# Altium PCB FluidGuard(TX).PcbDoc (part 2 of 2)
Units mm, origin at the board's own origin, x right, y up, seen from the top; angles counter-clockwise.
Board outline 60.05 x 100.05 mm, 4 copper layers (Top Layer, Mid Layer 1(GND), Mid Layer 2(GND), Bottom Layer), stack 1.586 mm thick; 109 components, 75 nets, 438 pads, 274 vias.
Unrouted connection lines stored in the file: 14.
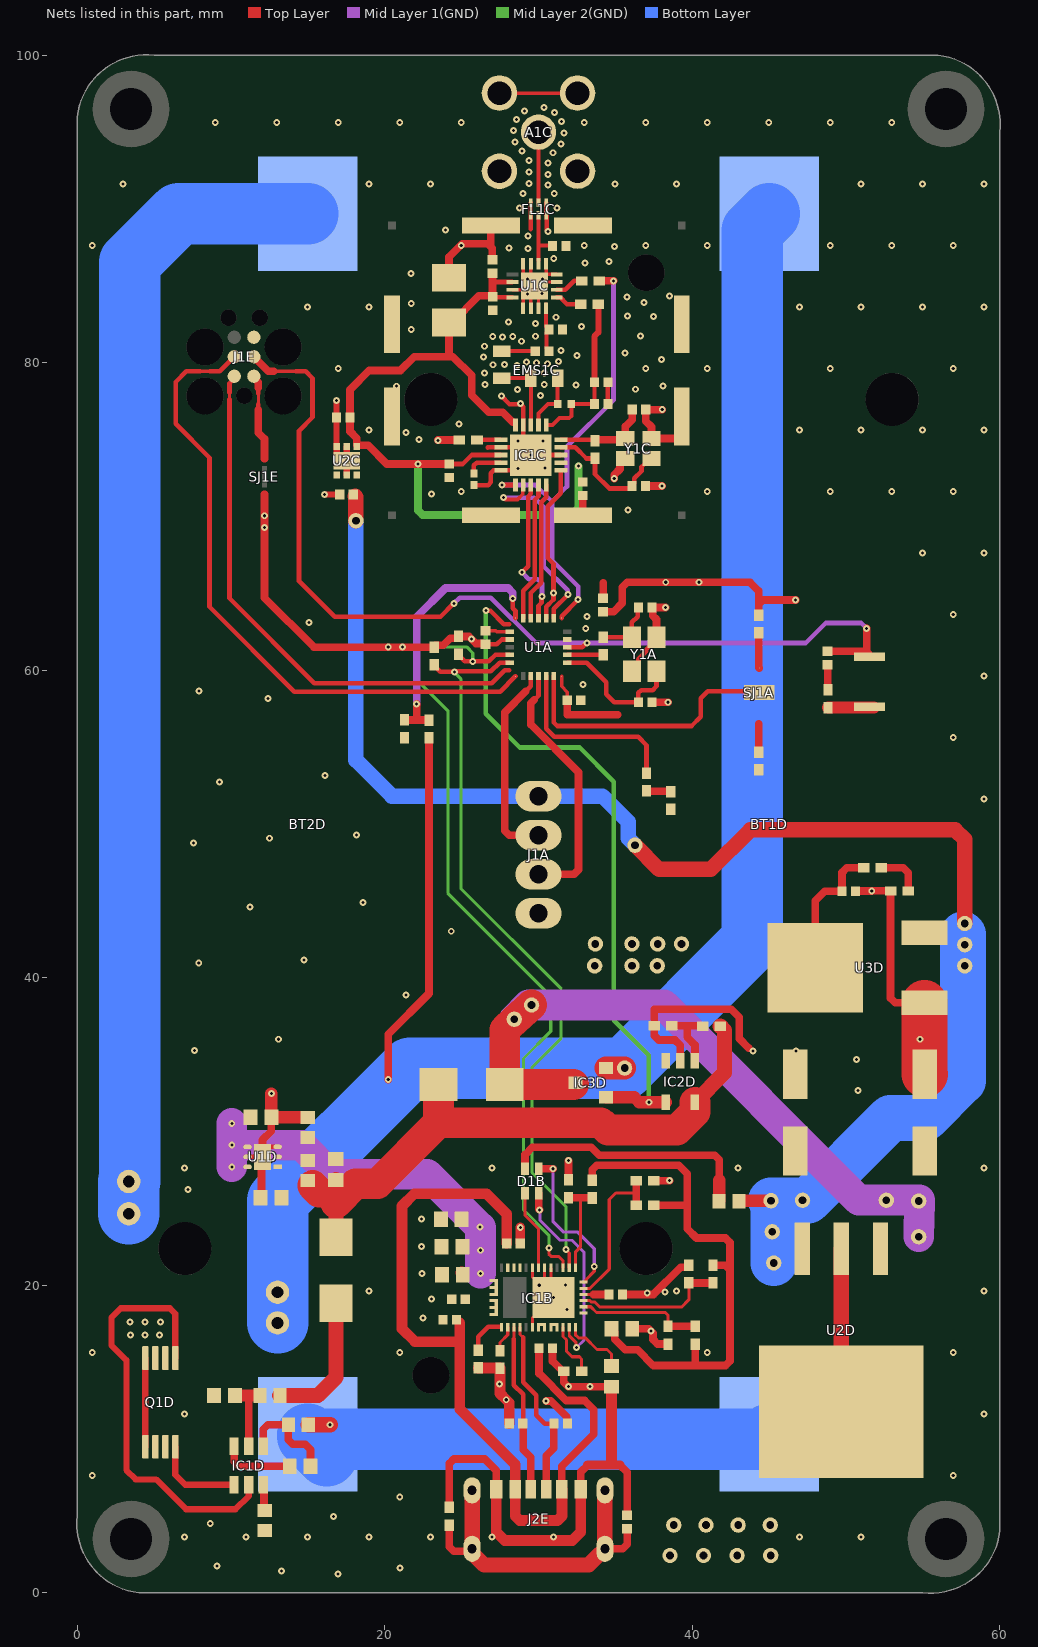
[diagram p4: the nets of this part, all layers, seen from the top]

## Part data (continued)
R5B R7B R8B: library part CRCW04029K53FKEDC, "RES 9.53K OHM 1% 1/16W 0402", Device Package="0402 (1005 Metric)", Manufacturer="Vishay Dale", Operating Temperature="-55°C ~ 155°C", Power (Watts)="0.063W, 1/16W", Supplier Device Package=0402, Supplier Part Number 1=541-5131-1-ND, Temperature Coefficient=±100ppm/°C, Tolerance=±1%, ComponentLink1Description=Datasheet, ComponentLink1URL=https://www.vishay.com/docs/28773/crcwce3.pdf, ComponentLink2Description="DigiKey Link", ComponentLink2URL=https://www.digikey.com/en/products/detail/vishay-dale/CRCW04029K53FKEDC/7925987, Composition="Thick Film", Height - Seated (Max)="0.014\" (0.35mm)", id=12430, LastUpdated=2023-01-02T20:20:02.490, Lifecycle Status=Active, Minimum Order=1, Number Of Terminations=2, Package / Case="0402 (1005 Metric)", Packaging=CutTape, Part Number=CRCW04029K53FKEDC, Part Status=Active, PartId=66777, Price=0.10, Resistance="9.53 kOhms", Series=CRCW-C, Size / Dimension="0.039\" L x 0.020\" W (1.00mm x 0.50mm)", Supplier 1=DigiKey
R6A R7A: library part AC0402FR-074K7L, "RES SMD 4.7K OHM 1% 1/16W 0402", Device Package="0402 (1005 Metric)", Manufacturer=Yageo, Operating Temperature="-55°C ~ 155°C", Power (Watts)="0.063W, 1/16W", Ratings=AEC-Q200, Supplier Device Package=0402, Supplier Part Number 1=YAG3497CT-ND, Temperature Coefficient=±100ppm/°C, Tolerance=±1%, ComponentLink1Description=Datasheet, ComponentLink1URL=https://www.yageo.com/upload/media/product/productsearch/datasheet/rchip/PYu-AC_51_RoHS_L_7.pdf, ComponentLink2Description="DigiKey Link", ComponentLink2URL=https://www.digikey.com/en/products/detail/yageo/AC0402FR-074K7L/5895396, Composition="Thick Film", Features="Automotive AEC-Q200, Moisture Resistant", Height - Seated (Max)="0.015\" (0.37mm)", id=4996, LastUpdated=2023-01-02T20:21:09.847, Lifecycle Status=Active, Minimum Order=1, Number Of Terminations=2, Package / Case="0402 (1005 Metric)", Packaging=CutTape, Part Number=AC0402FR-074K7L, Part Status=Active, PartId=12051, Price=0.01, Resistance="4.7 kOhms", Series=AC, Size / Dimension="0.039\" L x 0.020\" W (1.00mm x 0.50mm)", Supplier 1=DigiKey
R6B: library part AC0402FR-0738K3L, "RES SMD 38.3K OHM 1% 1/16W 0402", Device Package="0402 (1005 Metric)", Manufacturer=Yageo, Operating Temperature="-55°C ~ 155°C", Power (Watts)="0.063W, 1/16W", Ratings=AEC-Q200, Supplier Device Package=0402, Supplier Part Number 1=13-AC0402FR-0738K3LCT-ND, Temperature Coefficient=±100ppm/°C, Tolerance=±1%, ComponentLink1Description=Datasheet, ComponentLink1URL=https://www.yageo.com/upload/media/product/productsearch/datasheet/rchip/PYu-AC_51_RoHS_L_8.pdf, ComponentLink2Description="DigiKey Link", ComponentLink2URL=https://www.digikey.com/en/products/detail/yageo/AC0402FR-0738K3L/5895312, Composition="Thick Film", Features="Automotive AEC-Q200, Moisture Resistant", Height - Seated (Max)="0.015\" (0.37mm)", id=12409, LastUpdated=2023-01-02T20:20:08.577, Lifecycle Status=Active, Minimum Order=1, Number Of Terminations=2, Package / Case="0402 (1005 Metric)", Packaging=CutTape, Part Number=AC0402FR-0738K3L, Part Status=Active, PartId=65263, Price=0.01, Resistance="38.3 kOhms", Series=AC, Size / Dimension="0.039\" L x 0.020\" W (1.00mm x 0.50mm)", Supplier 1=DigiKey
R6D: library part RMCF0603FG160K, "RES 160K OHM 1% 1/10W 0603", Device Package="0603 (1608 Metric)", Manufacturer="Stackpole Electronics Inc", Operating Temperature="-55°C ~ 155°C", Power (Watts)="0.1W, 1/10W", Ratings=AEC-Q200, Supplier Device Package=0603, Supplier Part Number 1=738-RMCF0603FG160KCT-ND, Temperature Coefficient=±100ppm/°C, Tolerance=±1%, ComponentLink1Description=Datasheet, ComponentLink1URL=https://www.seielect.com/catalog/sei-rmcf_rmcp.pdf, ComponentLink2Description="DigiKey Link", ComponentLink2URL=https://www.digikey.com/en/products/detail/stackpole-electronics-inc/RMCF0603FG160K/1713653, Composition="Thick Film", Features="Automotive AEC-Q200", Height - Seated (Max)="0.022\" (0.55mm)", id=2352, LastUpdated=2023-01-02T20:30:07.700, Lifecycle Status=Active, Minimum Order=1, Number Of Terminations=2, Package / Case="0603 (1608 Metric)", Packaging=CutTape, Part Number=RMCF0603FG160K, Part Status=Active, PartId=9704, Price=0.01, Resistance="160 kOhms", Series=RMCF, Size / Dimension="0.061\" L x 0.031\" W (1.55mm x 0.80mm)", Supplier 1=DigiKey
R7D: library part RT0603BRD072KL, "RES SMD 2K OHM 0.1% 1/10W 0603", Device Package="0603 (1608 Metric)", Manufacturer=Yageo, Operating Temperature="-55°C ~ 155°C", Power (Watts)="0.1W, 1/10W", Supplier Device Package=0603, Supplier Part Number 1=YAG1626CT-ND, Temperature Coefficient=±25ppm/°C, Tolerance=±0.1%, ComponentLink1Description=Datasheet, ComponentLink1URL=https://www.yageo.com/upload/media/product/productsearch/datasheet/rchip/PYu-RT_1-to-0.01_RoHS_L_11.pdf, ComponentLink2Description="DigiKey Link", ComponentLink2URL=https://www.digikey.com/en/products/detail/yageo/RT0603BRD072KL/1072444, Composition="Thin Film", Height - Seated (Max)="0.022\" (0.55mm)", id=366, LastUpdated=2023-01-02T20:30:23.983, Lifecycle Status=Active, Minimum Order=1, Number Of Terminations=2, Package / Case="0603 (1608 Metric)", Packaging=TapeAndReel, Part Number=RT0603BRD072KL, Part Status=Active, PartId=5635, Price=0.03, Resistance="2 kOhms", Series=RT, Size / Dimension="0.063\" L x 0.031\" W (1.60mm x 0.80mm)", Supplier 1=DigiKey
R12B: library part RMCF0603JT1K00, "RES 1K OHM 5% 1/10W 0603", Device Package="0603 (1608 Metric)", Manufacturer="Stackpole Electronics Inc", Operating Temperature="-55°C ~ 155°C", Power (Watts)="0.1W, 1/10W", Ratings=AEC-Q200, Supplier Device Package=0603, Supplier Part Number 1=RMCF0603JT1K00CT-ND, Temperature Coefficient=±200ppm/°C, Tolerance=±5%, ComponentLink1Description=Datasheet, ComponentLink1URL=https://www.seielect.com/catalog/sei-rmcf_rmcp.pdf, ComponentLink2Description="DigiKey Link", ComponentLink2URL=https://www.digikey.com/en/products/detail/stackpole-electronics-inc/RMCF0603JT1K00/1758057, Composition="Thick Film", Features="Automotive AEC-Q200", Height - Seated (Max)="0.022\" (0.55mm)", id=454, LastUpdated=2023-01-02T20:30:23.167, Lifecycle Status=Active, Minimum Order=1, Number Of Terminations=2, Package / Case="0603 (1608 Metric)", Packaging=CutTape, Part Number=RMCF0603JT1K00, Part Status=Active, PartId=5824, Price=0.01, Resistance="1 kOhms", Series=RMCF, Size / Dimension="0.061\" L x 0.031\" W (1.55mm x 0.80mm)", Supplier 1=DigiKey
S1A: "3.0MM X 2.0MM / 3.3N / 0.15MM ST", Contact Rating @ Voltage="0.02A @ 15VDC", Manufacturer="Panasonic Electronic Components", Operating Force=330gf, Operating Temperature="-40°C ~ 85°C", Supplier Part Number 1=P123440CT-ND, Actuator Height Off Pcb, Vertical=0.60mm, Actuator Orientation="Top Actuated", Actuator Type=Standard, Circuit=SPST-NO, ComponentLink1Description=Datasheet, ComponentLink1URL=https://industrial.panasonic.com/ac/cdn/e/control/switch/light-touch/catalog/sw_lt_eng_3020s.pdf, ComponentLink2Description="DigiKey Link", ComponentLink2URL=https://www.digikey.com/en/products/detail/panasonic-electronic-components/EVP-AWED4A/8568275, id=5, Illumination=Non-Illuminated, Ingress Protection="IP67 - Dust Tight, Waterproof", LastUpdated=2023-01-02T21:07:29.980, Lifecycle Status=Active, Minimum Order=1, Mounting Type="Surface Mount", Outline="3.00mm x 2.00mm", Packaging=TapeAndReel, Part Number=EVP-AWED4A, Part Status=Active, Price=0.16, Series=EVPAW, Supplier 1=DigiKey, Switch Function=Off-Mom, Termination Style="SMD (SMT) Tab"
SJ1A: library part "Rounded Jumper Joint 3-pin"
SJ1E: library part "Rounded Jumper Joint"
U1A: library part CMP-12105-000084-1, "IC MCU 32BIT 32KB FLASH 28UFQFPN", Frequency=32MHz, Max Operating Temperature=105°C, Max Power Dissipation=167mW, Max Supply Voltage=3.6V, Min Operating Temperature=-40°C, Min Supply Voltage=1.8V, Operating Supply Voltage=3.3V, Core Architecture=ARM, Interface=I2C, Lead Free="Lead Free", Max Frequency=32MHz, Memory Size=32KB, Memory Type=FLASH, Mount="Surface Mount", Number of I/Os=21, Number of Pins=28, Number of Programmable I/O=21, Number of Timers/Counters=4, Oscillator Type=Internal, Peripherals="Brown-out Detect/Reset", RAM Size=1KB, Watchdog Timer=Yes
U1C: "No Description Available", Mfr_Name=Skyworks, RefDes=RefDes, Type=Type
U1D: library part CMP-04917-000172-1, "IC REG LINEAR POS ADJ 1A 6WSON"
U2C: library part CMP-07128-000006-2, "IC REG LINEAR 3.3V 500MA 6WDFN", Dropout Voltage=230mV, Max Input Voltage=5.5V, Max Operating Temperature=125°C, Max Output Current=500mA, Min Current Limit=510mA, Min Input Voltage=2.5V, Min Operating Temperature=-40°C, Output Voltage=3.3V, Package Quantity=3000, Quiescent Current=25uA, Accuracy=2%, Lead Free="Lead Free", Mount="Surface Mount", Number Of Outputs=1, Number of Pins=6, Number of Regulators=1, Output Current=500mA, Output Type=Fixed, Packaging="Tape and Reel", Polarity=Positive, Radiation Hardening=No
U2D: library part CMP-1685-00014-2, "IC REG LIN 5V 1.5A DDPAK/TO263-3", Case/Package=TO-263, Dropout Voltage=2V, Max Input Voltage=25V, Max Operating Temperature=125°C, Max Output Current=1.5A, Max Output Voltage=5.2V, Min Input Voltage=7V, Min Operating Temperature=0°C, Min Output Voltage=4.8V, Nominal Output Voltage=5V, Package Quantity=1, Power Rating=15W, Power Supply Rejection Ratio (PSRR)=78dB, Quiescent Current=8mA, Contact Plating=Tin, Height=4.83mm, Lead Free="Lead Free", Length=10.67mm, Mount="Surface Mount", Number Of Outputs=1, Number of Pins=3, Number of Regulators=1, Output Current=1.5A, Output Type=Fixed, Output Voltage=5V, Packaging="Tape and Reel", Polarity=Positive, Radiation Hardening=No, REACH SVHC="No SVHC", Weight=0.050897oz, Width=9.65mm
U3D: library part CMP-07128-000023-2, "IC REG LINEAR 3.3V 1A DPAK", Case/Package=DPAK, Dropout Voltage=1.07V, Input Bias Current=6mA, Max Input Voltage=20V, Max Operating Temperature=125°C, Max Output Current=1A, Min Operating Temperature=0°C, Nominal Output Voltage=3.3V, Output Voltage Accuracy=1%, Package Quantity=1, Quiescent Current=10mA, Reference Voltage=1.27V, Accuracy=1%, Contact Plating=Tin, Halogen Free="Halogen Free", Height=2.38mm, Lead Free="Lead Free", Length=6.73mm, Min Current Limit=1A, Mount="Surface Mount", Number Of Outputs=1, Number of Pins=3, Number of Regulators=1, Output Current=1A, Output Type=Fixed, Output Voltage=3.3V, Packaging="Tape and Reel", Polarity=Positive, Radiation Hardening=No, REACH SVHC="No SVHC", Width=6.22mm
Y1A: library part "TSX-3225 24.0000MF15X-AC3", "CRYSTAL 24.0000MHZ 9PF SMD", Esr (Equivalent Series Resistance)="40 Ohms", Frequency Stability=±15ppm, Frequency Tolerance=±10ppm, Load Capacitance=9pF, Manufacturer=EPSON, Operating Mode=Fundamental, Operating Temperature="-40°C ~ 85°C", Package / Case="4-SMD, No Lead", Supplier Part Number 1=SER3635CT-ND, ComponentLink1Description=Datasheet, ComponentLink1URL=https://support.epson.biz/td/api/doc_check.php?dl=brief_TSX-3225&lang=en, ComponentLink2Description="DigiKey Link", ComponentLink2URL=https://www.digikey.com/en/products/detail/epson/TSX-3225-24-0000MF15X-AC3/1825444, Frequency="24 MHz", Height - Seated (Max)="0.024\" (0.60mm)", id=441, LastUpdated=2023-01-02T20:58:19.840, Lifecycle Status=Active, Minimum Order=1, Mounting Type="Surface Mount", Packaging=TapeAndReel, Part Number="TSX-3225 24.0000MF15X-AC3", Part Status=Active, PartId=441, Price=0.44, Series=TSX-3225, Size / Dimension="0.126\" L x 0.098\" W (3.20mm x 2.50mm)", Supplier 1=DigiKey, Type="MHz Crystal"
Y1C: library part NX2520SA-16MHZ-EXS00A-CS05116, "CRYSTAL 16.0000MHZ 12PF SMD", Esr (Equivalent Series Resistance)="80 Ohms", Frequency Stability=±15ppm, Load Capacitance=12pF, Manufacturer="NDK America, Inc.", Operating Mode=Fundamental, Operating Temperature="-10°C ~ 75°C", Package / Case="4-SMD, No Lead", Supplier Part Number 1=644-1200-1-ND, ComponentLink1Description=Datasheet, ComponentLink1URL=//media.digikey.com/pdf/Data%20Sheets/NDK%20PDFs/NX2520SA-16MHZ-EXS00A-CS05116.pdf, ComponentLink2Description="DigiKey Link", ComponentLink2URL=https://www.digikey.com/en/products/detail/ndk-america-inc/NX2520SA-16MHZ-EXS00A-CS05116/3894065, Frequency="16 MHz", Frequency Tolerance=±15ppm, Height - Seated (Max)="0.022\" (0.55mm)", id=522, LastUpdated=2023-01-02T20:58:22.490, Lifecycle Status=Active, Minimum Order=1, Mounting Type="Surface Mount", Packaging=TapeAndReel, Part Number=NX2520SA-16MHZ-EXS00A-CS05116, Part Status=Active, PartId=522, Price=0.74, Series=NX2520SA, Size / Dimension="0.098\" L x 0.079\" W (2.50mm x 2.00mm)", Supplier 1=DigiKey, Type="MHz Crystal"

## Free pads (board coordinates)
  round 1.524 hole 0.762: 3(13.025,19.55) 4(13.025,17.55) 5(3.35,26.75) 6(3.35,24.65)
  round 1 hole 0.5: 9(35.6,34.125) 10(38.55,2.425) 11(40.733,2.425) 12(42.917,2.425) 13(45.1,2.425) 14(38.8,4.4) 15(40.892,4.4) 16(42.983,4.4) 17(45.075,4.4) 18(47.175,25.525) 19(45.125,25.5) 20(45.3,21.45) 21(45.2,23.475) 22(29.55,38.225) 26(28.425,37.3) 27(52.625,25.525) 28(54.725,25.475) 29(54.725,23.15) 30(57.725,43.525) 31(57.725,42.15) 32(57.725,40.775) 33(36.275,48.625) 34(18.125,69.725) 35(33.65,40.775) 35(33.7,42.2) 36(36.075,40.775) 36(36.075,42.2) 37(37.725,40.775) 37(37.75,42.2) 38(39.3,42.2)
  round 5 hole 2.75 unplated: MH(3.5,3.5) MH(3.5,96.5) MH(56.5,3.5) MH(56.5,96.5)

## Via types
v1: diameter 0.45, hole 0.2, Top Layer to Bottom Layer, 274 vias

## Nets (pads, with @x,y where several pads share a name; then routed paths per layer and width w, separated by ;. In a path a pad name is that pad's centre, name@x,y a point inside that pad or via, vN(x,y) a via of type N, cw(c..) or ccw(c..) an arc to the next point about the centre after c; other vN are vias at no path point)
+3V3: C4A.2 C5A.2 C6A.2 C8D.2 D3D.1 IC2D.3 pad.35 pad.36 pad.37 pad.38 R1A.2 R6A.2 R7A.2 SJ1E.2 U1A.1 U1A.5 U1A.17 U3D.4 | length 49.7
  Top Layer w0.3: C6A.2@26.551,61.685 27.285,61.685 27.6,62 U1A.17@28.125,62
  Top Layer w0.5: 12.175,71.45 12.175,64.725 15.4,61.5 v1(20.225,61.5) v1(21.15,61.5) R6A.2@23.225,61.5 23.225,61.575 23.275,61.625 23.8,61.625 24.25,62.075 24.75,62.075 24.8,62.125 R7A.2@24.8,62.2 25.475,62.2 25.94,61.735 26.501,61.735 C6A.2@26.551,61.685 ; C4A.2@34.204,63.81 34.885,63.81 35.45,64.375 35.45,65.407 35.768,65.725 43.75,65.725 44.325,65.15 44.325,64.282 ; R1A.2@44.325,63.575 44.325,64.282 ; v1(46.725,64.575) 44.618,64.575 44.325,64.282 ; U3D.4@48.01,40.65 48.01,45.01 48.625,45.625 C8D.2@49.745,45.625 49.745,46.845 50.05,47.15 D3D.1@51.15,47.15
  other v1: 32.9,59.075 25.65,62.025 33.075,62.725 33.15,63.5 38.275,65.725 40.45,65.725 12.175,69.275 12.175,70.05
+5V: C6D.1 C14C.2 J1A.1 pad.18 pad.19 pad.20 pad.21 pad.30 pad.31 pad.32 pad.33 pad.34 R12B.1 U2C.4 U2C.6 U2D.3 U3D.3 | length 98.6
  Top Layer w0.8: R12B.1@43.05,25.475 43.075,25.5 pad.19@45.125,25.5
  Top Layer w1: C14C.2@18.075,71.321 18.125,71.271 pad.34@18.125,69.725 ; pad.33@36.275,48.625 37.85,47.05 41.2,47.05 43.775,49.625 57.1,49.625 57.725,49 pad.30@57.725,43.525
  Bottom Layer w1: pad.34@18.125,69.725 18.125,54.15 20.465,51.81 J1A.1@30,51.81 34.164,51.81 35.825,50.149 35.825,49.075 pad.33@36.275,48.625
  Bottom Layer w3: pad.20@45.3,21.45 45.3,25.325 pad.19@45.125,25.5 47.525,25.5 52.9,30.875 55.175,30.875 57.6,33.3 57.6,42.825
ADC_1: IC1B.2 R1B.1 R5B.2 | length 8.2
  Top Layer w0.2: IC1B.2@32.925,18.6 33.4,18.6 33.775,18.225 38.25,18.225 38.425,18.05 R5B.2@38.425,17.325
  Top Layer w0.5: R5B.2@38.425,17.325 R1B.1@40.2,17.325
ADC_2: IC1B.3 R2B.1 R6B.2 | length 9.9
  Top Layer w0.2: IC1B.3@32.925,19 33.35,19 33.45,18.9 33.675,18.9 34,18.575 39.3,18.575 39.775,19.05 R6B.2@39.775,20.15
  Top Layer w0.5: R6B.2@39.775,20.15 R2B.1@41.35,20.15
ADC_3: IC1B.5 R3B.1 R7B.2 | length 10.2
  Top Layer w0.2: IC1B.5@32.925,19.8 33.35,19.8 34.6,21.05 34.6,25.575 35.029,26.004 36.35,26.004
  Top Layer w0.5: R3B.1@36.35,25.207 36.35,26.004 R7B.2@36.35,26.8
ADC_4: IC1B.7 R4B.1 R8B.2 | length 6.3
  Top Layer w0.2: IC1B.7@32.4,21.125 32.4,22.15 32.725,22.475 32.725,25.688
  Top Layer w0.5: R8B.2@31.95,25.7 31.962,25.688 32.725,25.688 33.487,25.688 R4B.1@33.5,25.675
BAT: BT1D.2 D1D.2 IC3D.2 pad.3 pad.4 pad.9 R1D.1 R3D.1 | length 127
  Top Layer w0.5: v1(20.225,33.375) 20.225,36.325 22.875,38.975 R1D.1@22.875,55.6
  Top Layer w1: R3D.1@13.175,12.831 15.656,12.831 16.825,14 D1D.2@16.825,18.825
  Top Layer w1.5: IC3D.2@34.4,34.125 pad.9@35.6,34.125
  Bottom Layer w4: pad.4@13.025,17.55 13.025,25.5 21.65,34.125 pad.9@35.6,34.125 43.9,42.425 43.9,88.588 BT1D.2@45,89.687
BAT_MR: R1D.2 R5D.1 U1A.14 | length 17.2
  Top Layer w0.3: v1(28.325,64.675) 28.325,64.034 28.5,63.859 U1A.14@28.5,63.4
  Top Layer w0.5: R5D.1@21.275,56.775 21.288,56.762 22.075,56.762 ; v1(22.075,57.8) 22.075,56.762 ; R1D.2@22.875,56.75 22.862,56.762 22.075,56.762
  Mid Layer 1(GND) w0.5: v1(22.075,57.8) 22.075,63.475 23.95,65.35 28.025,65.35 28.325,65.05 v1(28.325,64.675)
BCOM: BT2D.1 C4D.1 C5D.1 IC1D.6 pad.5 pad.6 Q1D.2 Q1D.3 | length 79.5
  Top Layer w0.5: IC1D.6@10.2,9.525 10.2,8.518 10.493,8.225 C4D.1@13.825,8.225
  Bottom Layer w4: pad.6@3.35,24.65 pad.5@3.35,26.75 ; pad.5@3.425,26.75 3.425,86.525 6.587,89.687 BT2D.1@15,89.687
BVC: BT1D.1 BT2D.2 R4D.1 | length 33.3
  Top Layer w1: R4D.1@15.025,10.925 v1(16.45,10.925)
  Bottom Layer w4: BT2D.2@15,10.312 15,10.164 16.238,8.925 16.238,9.975 44.662,9.975 BT1D.1@45,10.312
CAPABILITY: D1B.4 IC1B.6 | length 10.3
  Top Layer w0.2: IC1B.6@32.925,20.2 33.1,20.2 33.1,20.375 33.625,20.9 v1(33.625,21.225)
  Top Layer w0.5: D1B.4@30.025,27.575 v1(30.95,27.575)
  Mid Layer 1(GND) w0.2: v1(30.95,27.575) 30.95,24.125 31.6,23.475 32.525,23.475 33.625,22.375 v1(33.625,21.225)
CC1: C10B.2 IC1B.28 J2E.A5 | length 11
  Top Layer w0.2: 28.4,16.5 IC1B.28@28.4,17.275
  Top Layer w0.3: 28.4,16.5 28.4,13.5 29,12.9 29,11.02 C10B.2@28.98,11
  Top Layer w0.5: C10B.2@28.98,11 29,10.98 29,9.3 29.5,8.8 J2E.A5@29.5,6.74
CC2: C11B.2 IC1B.29 J2E.B5 | length 12
  Top Layer w0.2: IC1B.29@28.8,17.275 28.8,16.8 29,16.6
  Top Layer w0.3: 29,16.6 29,13.7 29.85,12.85 29.85,11.55 30.4,11 C11B.2@31,11
  Top Layer w0.5: J2E.B5@30.5,6.74 30.5,8.9 31,9.4 C11B.2@31,11
GND: A1C.G C1A.1 C1B.1 C1C.1 C1E.2 C2A.1 C2B.1 C2C.2 C2D.1 C3A.1 C3B.2 C3C.1 C3D.1 C4A.1 C4B.1 C4C.2 C5A.1 C5B.1 C6A.1 C6B.1 C6C.1 C6D.2 C7B.1 C7C.1 C7D.2 C8C.2 C8D.1 C9B.1 C9C.1 C10B.1 C10C.1 C11B.1 C11C.1 C12B.1 C12C.1 C13B.1 C13C.1 C14C.1 C15C.1 EMS1C.SH@20.475,76.5 EMS1C.SH@20.475,82.5 EMS1C.SH@26.9,70.075 EMS1C.SH@26.9,88.925 EMS1C.SH@32.9,70.075 EMS1C.SH@32.9,88.925 EMS1C.SH@39.325,76.5 EMS1C.SH@39.325,82.5 FL1C.1 FL1C.3 FL1C.4 FL1C.6 IC1B.11 IC1B.12 IC1B.14 IC1B.16 IC1B.17 IC1B.31 IC1B.34 IC1B.35 IC1B.39 IC1B.44 IC1C.8 IC1C.14 IC1C.17 IC1C.20 IC1C.21 IC2D.2 J1A.4 J1E.5 J2E.A12 J2E.B12 pad.10 pad.11 pad.12 pad.13 pad.14 pad.15 pad.16 pad.17 Q1D.6 Q1D.7 R1C.1 R1E.2 R2A.1 R3A.1 R5A.1 R5B.1 R5D.2 R6B.1 R6D.1 R7B.1 R7D.1 R8B.1 R9B.2 R9D.1 R10B.2 R10D.1 R11B.2 U1A.16 U1A.28 U1C.1 U1C.2 U1C.3 U1C.7 U1C.8 U1C.9 U1C.11 U1C.12 U1C.15 U1C.17 U1D.3 U1D.5 U1D.7 U2C.2 U2C.3 U2C.5 U2C.7 U2D.2 U2D.4 U3D.1 Y1A.2 Y1A.4 Y1C.2 Y1C.4 | length 195.4
  Top Layer w0.2: U1C.15@28.305,84.75 29.278,84.75 29.5,84.75 U1C.17@29.75,85 ; IC1B.31@29.6,17.275 29.6,17.87 30.05,18.32 30.05,18.45 30.18,18.45 30.93,19.2 v1(30.965,19.2) IC1B.39@30.8,19.365 ; IC1B.14@29.6,21.125 29.6,20.53 30.05,20.08 v1(30.05,20) ; IC1B.12@30.4,21.125 30.4,19.765 IC1B.39@30.8,19.365 ; IC1B.11@30.8,21.125 IC1B.39@30.8,19.365 ; Y1C.2@35.65,73.771 Y1C.2@35.75,73.771
  Top Layer w0.22: C6A.1@26.551,62.565 27.21,62.565 27.275,62.5 U1A.16@28.125,62.5 ; A1C.G@27.46,97.54 A1C.G@32.54,97.54 ; U1C.1@29,83.776 U1C.17@29,84.472 ; U1C.12@29,86.445 29,85.75 U1C.17@29.3,85.45 ; U1C.17@29.2,84.5 29.5,84.8 U1C.17@29.5,84.972 ; v1(29.275,85.45) U1C.17@29.3,85.45 ; v1(29.293,84.47) 29.291,84.472 U1C.17@29,84.472 ; U1C.2@29.5,83.776 29.5,84.75 U1C.17@29.5,84.972 ; U1C.11@29.5,86.667 29.5,85.472 U1C.17@29.75,85.222 ; U1C.17@29.75,85 U1C.17@29.639,85.111 ; U1C.17@29.861,85.111 U1C.17@30,85.25 ; U1C.3@30,83.776 30,84.972 U1C.17@29.75,85.222 ; U1C.17@30,85.472 U1C.17@29.75,85.222 ; U1C.9@30.5,86.445 U1C.17@30.5,85.75 ; U1C.7@31.195,85.25 U1C.17@30,85.25 ; U1C.8@31.195,85.75 U1C.17@30.5,85.75 ; U1A.28@31.5,59.6 31.5,58.95 31.87,58.58 C5A.1@31.87,58.046 ; EMS1C.SH@32.875,70.1 EMS1C.SH@32.9,70.075 ; U1C.17@29,84.472 29.278,84.75 U1C.17@29.5,84.972 ; U1C.17@29.3,85.45 U1C.17@29.639,85.111 ; U1C.17@29.5,84.972 U1C.17@29.639,85.111 ; U1C.17@29.639,85.111 U1C.17@29.75,85.222 ; U1C.17@30,85.25 30.2,85.45 v1(30.25,85.45) 30.25,85.5 U1C.17@30.5,85.75
  Top Layer w0.3: U1D.5@11.072,28.35 U1D.7@11.987,28.35 ; U1D.7@12.05,28.6 12.45,29 U1D.3@13.028,29 ; C4C.2@25.8,72.043 26.724,72.043 26.9,72.219 26.9,72.824 27.076,73 28.55,73 28.775,73.225 28.775,73.275 v1(29.5,74) ; 26.7,74.475 cw(c26.725,74.475) 26.725,74.5 IC1C.17@27.55,74.5 IC1C.21@29,74.5 ; v1(27.6,77.825) 28.116,77.309 v1@28.825,77.309 ; 29.5,88.7 FL1C.1@29.5,89.6 FL1C.6@29.5,90.4 ; FL1C.4@30.5,90.4 FL1C.3@30.5,89.6 cw(c30.5,89.575) 30.525,89.575 v1@30.525,88.625 ; IC1C.8@31.45,74 v1(29.5,74) ; C10C.1@34.515,77.325 C11C.1@34.515,78.729 ; Y1A.4@36.075,59.95 36.5,60.375 36.5,60.725 37,61.225 37,61.35 37.675,62.025 Y1A.2@37.675,62.15 ; C3A.1@48.8,60.357 C3A.1@48.812,60.345 ; R5A.1@48.812,58.738 R5A.1@48.825,58.725 ; v1@28.825,77.309 v1(28.825,77.35) v1@28.825,77.309 ; v1@28.825,77.309 29,77.134 IC1C.21@29,74.5 ; IC1C.21@29,74.5 v1(29.5,74)
  Top Layer w0.4: v1(16.084,71.441) C14C.1@17.075,71.441 ; U2C.3@16.86,74.546 C15C.1@16.86,76.45 v1(16.86,77.535) ; U2C.3@16.875,74.546 16.875,73.981 17.235,73.621 U2C.7@17.525,73.621 ; U2C.5@17.525,72.696 U2C.7@17.525,73.621 ; U2C.2@17.525,74.546 U2C.7@17.525,73.621
  Top Layer w0.5: C2D.1@11.925,25.7 11.987,25.762 11.987,28.35 11.987,28.537 12.05,28.6 12.05,29.45 12.625,30.025 C3D.1@12.625,30.925 ; v1@23.45,74.95 cw(c23.475,74.95) 23.475,74.975 R1C.1@24.85,74.975 ; C2C.2@24.175,85.535 24.175,86.875 25.05,87.75 26.707,87.75 26.9,87.557 ; R1E.2@24.2,5.55 24.2,8.4 24.5,8.7 26.5,8.7 27.25,7.95 J2E.B12@27.25,6.74 ; EMS1C.SH@26.9,88.925 26.9,87.557 ; C7C.1@27,86.705 27,87.457 26.9,87.557 ; v1(30.5,12.475) 30.8,12.475 31.83,11.445 31.83,11.05 C11B.1@31.88,11 ; C7B.1@30.915,15.92 C7B.1@30.915,15.9 30.915,15.06 31.575,14.4 R9B.2@31.65,14.4 31.65,13.693 v1(31.943,13.4) v1(33.346,13.4) C9B.1@34.75,13.4 ; C5A.1@31.87,58.046 31.87,57.105 35.155,57.105 ; R8B.1@31.95,26.85 v1(31.95,28.1) ; J2E.A12@32.75,6.74 32.75,7.85 33.2,8.3 ; EMS1C.SH@32.875,70.1 C3C.1@32.875,71.363 ; C4A.1@34.204,64.69 34.204,65.696 ; v1(34.925,72.475) 34.925,72.715 35.3,73.09 35.3,73.521 35.55,73.771 Y1C.2@35.65,73.771 ; 35.3,8.3 35.763,7.837 C1E.2@35.763,5.04 ; C12B.1@35.467,19.4 37.475,19.4 39.25,21.175 39.725,21.175 39.775,21.225 R6B.1@39.775,21.3 ; C13B.1@36.102,17.175 37.157,17.175 37.45,16.882 37.45,16.468 37.743,16.175 R5B.1@38.425,16.175 ; C13C.1@36.965,71.99 v1(38.035,71.99) ; C1A.1@37.375,57.921 v1(38.429,57.921) ; R7B.1@37.5,26.8 v1(38.525,26.8) ; Y1A.2@37.675,62.15 37.675,63.3 37.425,63.55 37.425,64.029 C2A.1@37.375,64.079 v1(38.254,64.079) ; v1(38.05,76.95) C12C.1@36.98,76.95 36.98,76.195 37.35,75.825 Y1C.4@37.35,75.071 39.115,75.071 39.375,75.331 EMS1C.SH@39.375,75.5 ; IC2D.2@39.225,34.6 39.225,35.6 38.875,35.95 37.818,35.95 37.525,36.243 R9D.1@37.525,36.875 37.525,37.95 42.525,37.95 43.05,37.425 43.05,36.05 43.675,35.425 ; R5A.1@48.812,58.738 C3A.1@48.812,60.345 ; C8D.1@50.625,45.625 50.662,45.625 50.675,45.638 51.663,45.638 v1(51.675,45.65) R10D.1@52.9,45.65 52.9,38.675 53.21,38.365 U3D.1@55.1,38.365